# KiCad board Coral Dev Board Micro-PcbDoc.kicad_pcb (continued)
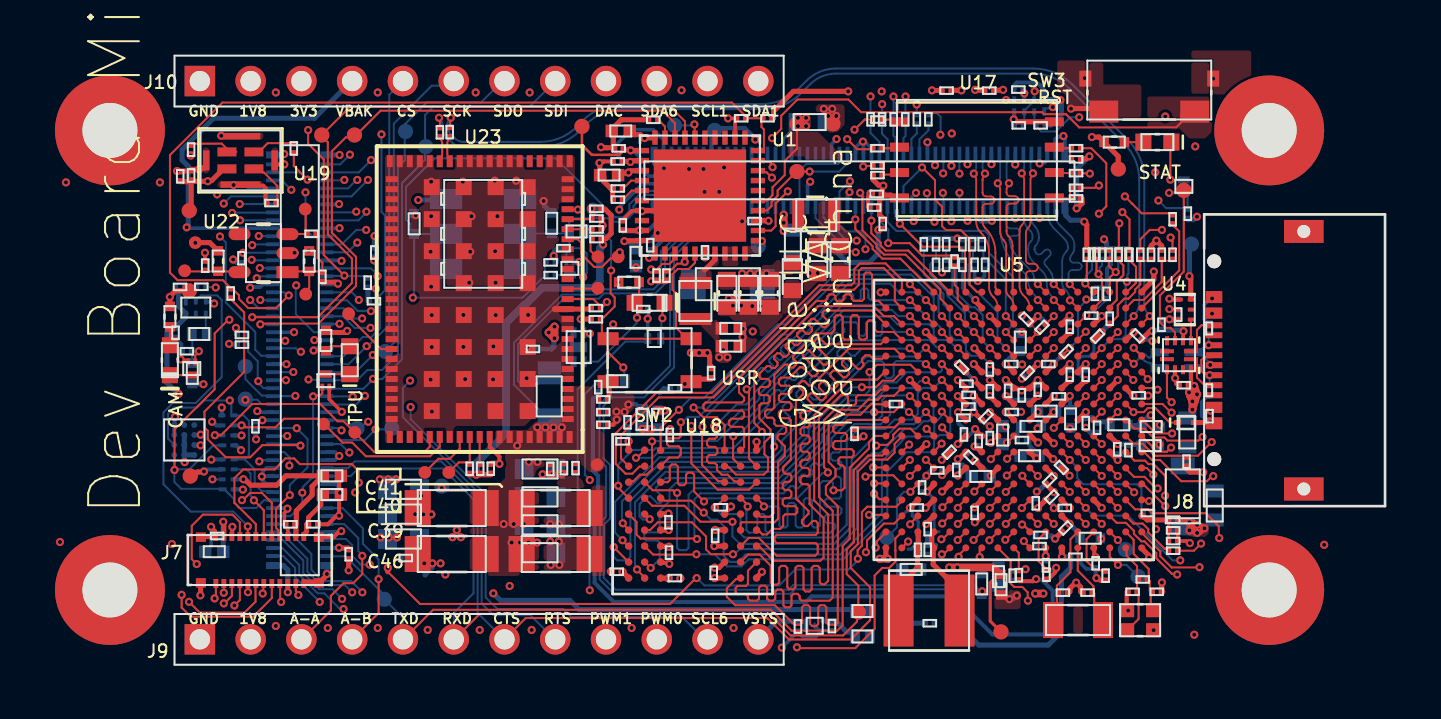
[diagram p0: board, top side]
## Routing (per net, layer and track width the routed paths; a pad name or vN(x,y) marks a point on that pad's centre or on a via; arc(x,y) is an arc through that point) (continued)
  In5.Cu w0.102: v1(30.53,26.36) 31.31,25.57 v1(31.31,23.69) 31.97,23.03 31.97,18.2 29.66,15.89 28.8,15.89 28.6,16.1 22.02,16.1 21.32,15.4 11.36,15.4 9.7,17.06 v1(8.89,17.06)
  Bottom w0.102: 43.61,5.94 43.61,6.49 ; v1(8.89,17.06) 8.88,17.05 8.27,17.05 8.26,17.04 ; 43.61,6.52 43.11,7.02 v1(43.04,7.02)
PRIVACY_ENABLE: length 1
  Bottom w0.102: 2.22,16.55 2.2,16.58 U3.4
PRIVACY_ENABLE_FILT: length 2.3
  Top w0.102: v1(1.85,15.69) 1.85,15.65 1.67,15.47 Q1.1
  Bottom w0.102: 1.52,15.82 1.52,16.55 ; v1(1.85,15.69) 1.52,15.69 R11.2
PRIVACY_OVERRIDE: length 45.1
  Top w0.102: U5.M2 v1(37.42,10.25)
  In2.Cu w0.102: v1(2.69,18.88) 2.7,18.88 3,18.58 3,16.99 3.56,16.43 5.51,16.43 6.24,17.16 8.25,17.16 9.72,18.64 10.26,18.64 10.44,18.46 11.15,18.46 11.96,19.27 13.97,19.27 14.47,18.76 18.79,18.76 19.78,19.75 21.23,19.75 21.43,19.55 21.43,17.65 22.42,16.65 25.48,16.65 25.98,17.16 29.58,17.16 34.89,11.85 35.76,11.85 37.36,10.25 v1(37.42,10.25)
  Bottom w0.102: v1(2.69,18.88) 2.67,18.9 2.29,18.9 2.27,18.92
QSPI_1V8: length 7.5
  Top w0.254: 46.04,23.34 46.04,23.08 45.79,22.84 v1(45.77,22.84) ; 36.02,23.52 36.02,23.4 35.91,23.29 35.91,23 35.91,22.99 35.91,22.88 35.9,22.88 35.91,22.87 35.91,22.76 35.91,22.76 35.91,22.49 36.04,22.36 36.06,22.36 ; 46.04,25.29 46.04,25.31 46.04,25.31 46.23,25.31 46.36,25.44 v1(46.4,25.44) ; 36.88,23.34 36.63,23.34 36.46,23.5 36.15,23.5 36.05,23.6 36.05,23.89 36.09,23.94 v1(36.09,23.97) 36.06,24 35.85,24 35.58,24.28 35.58,24.5 R73.2
  In4.Cu w0.254: v1(46.4,25.44) 46.4,25.48 ; 36.06,24 v1(36.09,23.97)
  Bottom w0.254: v1(46.4,25.44) 45.77,24.81 v1(45.77,22.84)
RGMII1_PHY_INTB: length 16.6
  Top w0.102: U5.K3 37.46,11.81 36.89,11.81 36.59,11.51 36.59,11.3 36.29,11 35.77,11 v1(35.73,10.97)
  In5.Cu w0.102: v1(34.71,20.64) 34.08,20.01 34.08,12.98 35.68,11.39 35.68,11.02 v1(35.73,10.97)
  Bottom w0.102: v1(34.71,20.64) 34.66,20.7 34.36,20.7 32.7,22.36 J6.40
RT_CLK1_N: length 1.2
  Top w0.102: U5.T15 v1(47.83,6.24)
  Bottom w0.102: v1(47.83,6.24) TP22.1
RT_CLK1_P: length 2.3
  Top w0.102: v1(47.83,5) 47.42,5.41 U5.U15
  Bottom w0.102: v1(47.83,5) 48.26,5 TP23.1
RT_DCDC_L_1: length 4.3
  Top w0.254: 37.82,5.87 37.84,5.89 37.84,5.93 37.84,5.94 37.84,6.6 37.82,6.62 U5.T3 ; 36.81,2.71 37.35,3.26 37.35,4.41 37.8,4.86 37.8,5.83 U5.U3
RT_DCDC_L_2: length 4.6
  Top w0.254: 39.78,2.71 39.78,3.89 39.29,4.38 39.23,4.38 38.59,5.02 38.59,5.82 U5.U4 38.62,5.87 38.52,5.98 38.52,6.52 38.62,6.62 U5.T4
RT_DCDC_MODE: length 4.2
  Top w0.254: U5.N4 38.62,9.02 38.57,8.97 38.57,8.95 v1(38.27,8.65)
  Bottom w0.15: 38.88,6.66 38.77,6.66 38.7,6.59 38.59,6.59 38.64,6.64 38.64,8.29 v1(38.27,8.65)
  Bottom w0.2: 38.59,6.59 38.34,6.59 R398.2
  Bottom w0.254: R397.2 38.32,5.97 38.69,5.97 38.7,5.97 ; 38.31,6.05 38.31,6.49
RT_TEST_MODE: length 2.2
  Top w0.102: 44.26,4.81 44.23,4.81 43.86,5.18 43.86,6.29 U5.T11
RT_XTALI: length 4.7
  Top w0.102: X1.1 48.55,2.01 48.59,2.01 48.87,2.29 48.87,3.65 48.79,3.73 48.79,4.25 48.78,4.27 48.79,4.28 48.79,4.94 48.26,5.46 48.26,5.81 U5.U16
RT_XTALO: length 4.5
  Top w0.102: U5.T16 48.62,6.25 48.62,5.55 49.38,4.79 49.38,4.24 49.42,4.19 49.42,3.7 49.48,3.65 49.48,2.87 X1.3
RTC_XTALI: length 4.7
  Top w0.102: 44.78,2.43 44.78,3.96 45.46,4.63 45.46,6.28 U5.T13
RTC_XTALO: length 4.1
  Top w0.102: U5.U13 45.82,4.71 46.61,3.93 46.61,3.61 46.65,3.57 46.65,2.67 X2.2
SAI2_MCLK: length 32.2
  Top w0.102: U5.M1 36.2,9.87 v1(35.59,9.87)
  In2.Cu w0.102: v1(10.46,17.7) 10.48,17.7 10.67,17.89 19.36,17.89 20.06,17.19 20.06,16.25 20.75,15.56 23.92,15.56 24.26,15.22 26.73,15.22 26.73,15.22 26.86,15.22 27.57,14.51 30.39,14.51 35.02,9.87 v1(35.59,9.87)
  Bottom w0.102: 8.26,18.24 9.26,18.24 9.79,17.71 10.45,17.71 v1(10.46,17.7)
SAI2_RX_BCLK: length 32
  Top w0.102: U5.T1 36.22,6.63 35.77,6.17 35.77,5.92 v1(35.71,5.86)
  In2.Cu w0.102: v1(35.71,5.86) 35.43,6.14 34.65,6.14 30.01,10.77 24.37,10.77 23.36,11.78 22.58,11.78 21.05,13.3 14.63,13.3 14.09,13.84 9.98,13.84 v1(9.55,13.4)
  Bottom w0.102: v1(9.55,13.4) 9.52,13.43 8.27,13.43 8.26,13.44
SAI2_RX_DATA: length 34.8
  Top w0.102: v1(37.42,9.45) U5.M3
  In2.Cu w0.102: v1(37.42,9.45) 37.02,9.45 36.01,10.46 35.16,10.46 30.6,15.01 29.65,15.01 28.37,16.3 25.93,16.3 25.73,16.1 20.94,16.1 20.57,16.46 20.57,17.57 19.68,18.46 13.33,18.46 12.98,18.81 12.04,18.81 11.48,18.26 v1(9.85,18.26)
  Bottom w0.102: 8.26,18.64 8.26,18.64 9.51,18.64 9.85,18.29 v1(9.85,18.26)
SAI2_RX_SYNC: length 31.7
  Top w0.102: U5.N1 36.2,9.02 36.15,9.07 v1(35.63,9.07)
  In2.Cu w0.102: v1(10.44,16.86) 10.49,16.81 17.88,16.81 19.76,14.93 22.32,14.93 22.83,14.42 23.46,14.42 23.65,14.61 26.6,14.61 28.01,13.2 30.83,13.2 35,9.04 35.59,9.04 v1(35.63,9.07)
  Bottom w0.102: v1(10.44,16.86) 9.65,16.86 9.06,17.44 8.26,17.44
SAI2_TX_BCLK: length 32.5
  Top w0.102: v1(35.2,9.42) 35.26,9.48 36.59,9.48 U5.N2
  In2.Cu w0.102: v1(35.2,9.42) 35.14,9.47 34.99,9.47 30.26,14.2 27.44,14.2 26.73,14.92 24.04,14.92 23.7,15.26 19.86,15.26 18,17.12 10.72,17.12 10.52,17.32 10.03,17.32 v1(10.02,17.33)
  Bottom w0.102: 8.26,17.84 9.09,17.84 9.61,17.33 v1(10.02,17.33)
SAI2_TX_DATA: length 35
  Top w0.102: U5.P1 36.18,8.29 35.9,8.29 v1(35.63,8.55)
  In5.Cu w0.102: v1(6.96,15.66) 7.48,15.14 21.65,15.14 22.03,15.53 26.05,15.53 26.34,15.23 26.35,15.23 26.65,14.93 30.58,14.93 34.79,10.71 34.79,9.23 35.41,8.61 35.57,8.61 v1(35.63,8.55)
  Bottom w0.102: v1(6.96,15.66) 6.87,15.66 6.7,15.84 J5.53
SAI2_TX_SYNC: length 33.3
  Top w0.102: v1(35.23,5.63) 35.28,5.68 35.28,6.22 36.12,7.07 36.64,7.07 U5.R2
  In2.Cu w0.102: v1(10.16,13.45) 10.21,13.51 10.35,13.51 10.37,13.53 13.97,13.53 14.5,13 20.9,13 23.16,10.74 23.88,10.74 24.16,10.46 29.9,10.46 34.7,5.66 35.2,5.66 v1(35.23,5.63)
  Bottom w0.102: v1(10.16,13.45) 9.72,13.02 8.27,13.02 8.26,13.04
SDRAM_1V8: length 5.7
  Top w0.254: U18.E7 24.96,7.55 25.33,7.55 v1(25.35,7.56) ; v1(25.37,5.91) 25.36,5.92 24.97,5.92 U18.C7 ; v1(23.05,4.66) 23.05,4.65 23.35,4.35 U18.A9 ; v1(23.35,11.18) 23.34,11.17 23.34,10.75 U18.J9 ; U18.D3 28.14,6.75 v1(27.68,6.75) ; U18.B3 27.87,4.86 v1(27.66,4.86) ; v1(25.35,4.32) 25.34,4.33 24.96,4.33 U18.A7
  Top w0.381: v1(24.04,11.8) v1(24.49,11.8)
  In2.Cu w0.381: v1(24.04,11.8) v1(24.49,11.8)
  In4.Cu w0.381: v1(24.04,11.8) v1(24.49,11.8)
  In5.Cu w0.381: v1(24.04,11.8) v1(24.49,11.8)
  Bottom w0.102: 25.41,11.8 v1(25.43,11.8)
  Bottom w0.254: v1(23.35,11.18) 23.35,11.18 23.35,11.83 23.35,11.83
SEMC_A0: length 19.1
  Top w0.102: v1(25.96,12.14) 25.96,11.44 25.86,11.33 25.38,11.33 25.27,11.23 25.27,11.03 25.38,10.93 25.86,10.93 25.96,10.83 25.96,10.51 25.82,10.37 25.38,10.37 U18.H7 ; v1(37.42,19.05) U5.A3
  Bottom w0.102: v1(37.42,19.05) 37.42,19.05 37.17,19.3 34.22,19.3 31.45,16.53 30.98,16.53 26.86,12.4 26.3,12.4 26.04,12.14 v1(25.96,12.14)
SEMC_A1: length 22.5
  Top w0.102: U18.H8 24.13,9.92 23.89,9.92 23.54,9.56 23.2,9.56 22.71,10.05 22.71,11.58 24.73,13.61 27.51,13.61 32.89,18.99 34.49,18.99 34.64,19.14 34.64,19.8 34.93,20.08 36.21,20.08 37.02,19.27 U5.A2
SEMC_A2: length 20.3
  Top w0.102: v1(30.02,11.65) 30.02,11.71 29.64,12.1 29.64,14.77 32.82,17.95 35.61,17.95 36.12,17.44 36.63,17.44 U5.C2 ; U18.J8 23.77,10.36 v1(23.72,10.36)
  Bottom w0.102: v1(30.02,11.65) 30.13,11.54 30.13,11 29.74,10.61 24.8,10.61 24.55,10.36 v1(23.72,10.36)
SEMC_A3: length 20.5
  Top w0.102: v1(39.02,17.45) U5.C5 ; v1(25.87,12.76) 25.85,12.76 24.95,11.86 U18.J7
  Bottom w0.102: v1(39.02,17.45) 39.02,17.5 38.86,17.66 38.86,18.47 37.58,19.75 33.88,19.75 31.16,17.04 30.81,17.04 27.11,13.34 26.45,13.34 v1(25.87,12.76)
SEMC_A4: length 20.8
  Top w0.102: U18.J3 28.15,11.91 28.15,11.99 27.76,12.39 27.09,12.39 v1(26.6,12.87) ; v1(39.02,16.65) U5.D5
  Bottom w0.102: v1(26.6,12.87) 27,12.87 30.93,16.81 31.31,16.81 34.03,19.53 37.48,19.53 38.6,18.41 38.6,18.4 38.62,18.39 38.62,17.21 38.96,16.87 38.96,16.71 38.98,16.69
SEMC_A5: length 21.5
  Top w0.102: 28.96,10.72 29.13,10.89 29.13,11.8 29.03,11.91 28.48,11.91 28.38,12.01 28.38,12.21 28.48,12.31 29.03,12.31 29.13,12.41 29.13,12.62 29.03,12.72 27.2,12.72 27.1,12.82 27.1,13.02 27.2,13.12 29.03,13.12 29.13,13.23 29.13,13.37 28.88,13.63 28.88,14.33 32.75,18.2 33.19,18.2 33.29,18.31 33.29,18.43 33.4,18.53 33.6,18.53 33.7,18.43 33.7,18.28 33.8,18.18 34,18.18 34.11,18.28 34.11,18.43 34.21,18.53 34.41,18.53 34.51,18.43 34.51,18.31 34.61,18.2 35.02,18.2 35.12,18.31 35.12,19.53 35.23,19.63 35.43,19.63 35.53,19.53 35.53,18.31 35.63,18.2 35.87,18.2 U5.B1 36.17,17.85
SEMC_A6: length 20.9
  Top w0.102: U18.H3 28.2,9.89 28.36,9.89 28.72,9.52 30.12,9.52 30.32,9.72 30.32,10.36 30.15,10.53 30.15,11.12 30.45,11.42 30.45,11.77 29.89,12.32 29.89,12.98 29.99,13.09 30.31,13.09 30.41,13.19 30.41,13.39 30.31,13.49 29.97,13.49 29.87,13.59 29.87,13.8 29.97,13.9 30.31,13.9 30.41,14 30.41,14.2 30.31,14.3 29.99,14.3 29.89,14.41 29.89,14.57 30.27,14.94 30.41,14.94 30.51,14.85 30.65,14.85 30.8,14.99 30.8,15.13 30.63,15.3 30.63,15.44 30.78,15.58 30.92,15.58 31.09,15.42 31.23,15.42 31.37,15.56 31.37,15.71 31.21,15.87 31.21,16.02 31.35,16.16 31.5,16.16 31.66,15.99 31.8,15.99 31.95,16.14 31.95,16.28 31.78,16.45 31.78,16.59 31.93,16.73 32.07,16.73 32.23,16.57 32.38,16.57 32.52,16.71 32.52,16.86 32.36,17.02 32.36,17.17 32.5,17.31 32.65,17.31 33.06,16.89 33.21,16.89 33.35,17.03 33.35,17.18 33.05,17.48 33.05,17.62 33.15,17.72 35.52,17.72 36.19,17.05 U5.C1
SEMC_A7: length 18.4
  Top w0.102: U18.H2 28.58,10.31 28.58,11.43 v1(28.59,11.44) ; v1(37.42,16.65) U5.D3
  Bottom w0.102: v1(28.59,11.44) 28.64,11.49 28.84,11.49 30.35,13.01 30.35,13.35 30.75,13.74 30.89,13.74 30.96,13.67 31.11,13.67 31.25,13.81 31.25,13.96 31.18,14.03 31.18,14.17 31.32,14.32 31.47,14.32 31.54,14.25 31.68,14.25 31.82,14.39 31.82,14.53 31.75,14.6 31.75,14.75 31.9,14.89 32.04,14.89 32.11,14.82 32.25,14.82 32.4,14.96 32.4,15.11 32.33,15.18 32.33,15.32 32.47,15.47 32.62,15.47 32.69,15.39 32.83,15.39 32.97,15.54 32.97,15.68 32.9,15.75 32.9,15.9 33.05,16.04 33.19,16.04 33.26,15.97 33.4,15.97 33.55,16.11 33.55,16.26 33.48,16.33 33.48,16.47 33.62,16.61 33.76,16.61 33.85,16.53 34,16.53 34.14,16.67 34.14,16.81 34.05,16.9 34.05,17.05 34.14,17.14 34.72,17.14 34.82,17.04 34.82,16.57 34.92,16.46 35.12,16.46 35.23,16.57 35.23,17.09 35.33,17.19 35.53,17.19 35.63,17.09 35.63,16.57 35.73,16.46 35.94,16.46 36.04,16.57 36.04,16.99 36.14,17.1 36.28,17.1 36.72,16.65 37.42,16.65 v1(37.42,16.65)
SEMC_A8: length 18.1
  Top w0.102: v1(37.42,18.25) U5.B3 ; v1(29.26,13.78) 29.37,13.67 29.37,10.32 U18.H1
  Bottom w0.102: 35.35,18.36 35.46,18.25 v1(37.42,18.25) ; 35.35,18.36 35.35,18.55 ; 35.35,18.36 35.35,18.73 35.25,18.83 35.06,18.83 34.97,18.73 34.97,18.34 34.87,18.24 34.68,18.24 34.58,18.34 34.58,18.51 34.49,18.6 34.3,18.6 34.2,18.51 34.2,18.36 34.11,18.27 33.89,18.27 31.73,16.1 31.73,16.01 31.53,15.82 31.44,15.82 31.26,16 31.11,16 30.97,15.86 30.97,15.71 31.15,15.53 31.15,15.44 30.95,15.24 30.87,15.24 30.68,15.43 30.54,15.43 30.39,15.28 30.39,15.14 30.58,14.95 30.58,14.87 30.38,14.67 30.29,14.67 30.11,14.85 29.96,14.85 29.82,14.71 29.82,14.56 29.93,14.45 29.93,14.31 29.41,13.78 v1(29.26,13.78)
SEMC_A9: length 18.7
  Top w0.102: v1(27.05,11.91) 27.02,11.89 27.02,10 27.83,9.19 28.1,9.19 U18.G3 ; v1(38.22,18.25) U5.B4
  Bottom w0.102: v1(27.05,11.91) 27.05,12.26 31.09,16.3 31.58,16.3 34.35,19.07 36.45,19.07 36.87,18.64 37.83,18.64 v1(38.22,18.25)
SEMC_A10: length 21.1
  Top w0.102: U18.H9 22.97,10.32 22.97,11.49 24.86,13.38 27.6,13.38 32.99,18.76 34.62,18.76 34.87,19.02 34.87,19.7 35.02,19.86 36.11,19.86 36.67,19.3 36.67,18.2 U5.B2
SEMC_A11: length 19.2
  Top w0.102: U18.G2 28.92,9.17 28.65,9.17 28.31,9.51 28,9.51 27.77,9.75 27.77,9.99 27.67,10.09 27.38,10.09 27.28,10.19 27.28,10.39 27.38,10.5 27.69,10.5 27.79,10.6 27.79,10.8 27.69,10.9 27.38,10.9 27.28,11 27.28,11.21 27.38,11.31 27.67,11.31 27.77,11.41 27.77,11.73 27.63,11.87 v1(27.63,11.96) ; v1(38.22,17.45) U5.C4
  Bottom w0.102: v1(27.63,11.96) 27.69,11.96 28.75,13.02 29.23,13.02 29.64,13.43 29.64,13.6 34.05,18.01 36.82,18.01 36.97,17.85 37.82,17.85 v1(38.22,17.45)
SEMC_A12: length 20.4
  Top w0.102: v1(37.42,17.45) U5.C3 ; U18.G1 29.38,8.76 27.8,8.76 26.49,10.08 v1(26.49,11.95)
  Bottom w0.102: v1(37.42,17.45) 36.83,17.45 36.52,17.76 34.12,17.76 29.89,13.53 29.89,13.3 29.36,12.77 29,12.77 27.73,11.5 26.9,11.5 26.49,11.91 v1(26.49,11.95)
SEMC_BA0: length 19.5
  Top w0.102: v1(27.12,8.17) 26.63,8.67 26.63,9.51 26.53,9.61 26.32,9.61 26.22,9.51 26.22,9.09 26.12,8.98 25.92,8.98 25.82,9.09 25.82,9.92 25.71,10.02 25.51,10.02 25.41,9.92 25.41,9.24 25.31,9.14 U18.G7 ; U5.G2 36.63,13.45 36.02,13.45 35.83,13.26 35.34,13.26 34.83,12.76 33.65,12.76 33.13,12.24 33.13,9.88 33.32,9.69 v1(33.32,9.62)
  Bottom w0.102: v1(33.32,9.62) 33.29,9.59 33.05,9.59 31.78,8.32 27.28,8.32 v1(27.12,8.17)
SEMC_BA1: length 20.7
  Top w0.102: U5.H2 36.62,12.64 v1(35.63,12.64) ; v1(25.78,8.6) 25.7,8.6 25.57,8.73 24.56,8.73 U18.G8
  Bottom w0.102: v1(25.78,8.6) 25.78,5.85 25.89,5.73 26.23,5.73 26.35,5.85 26.35,8.51 26.67,8.83 31.02,8.83 33.27,11.08 33.27,11.42 34.49,12.64 v1(35.63,12.64)
SEMC_CAS: length 21.9
  Top w0.102: U5.J5 39.42,12.25 39.01,12.66 39.01,12.67 ; U18.F7 25.02,8.34 25.15,8.21 26.48,8.21 27.07,7.61 v1(27.11,7.61)
  Bottom w0.102: 39.01,12.67 38.98,12.64 38.98,12.41 38.64,12.07 38.64,11.65 38.42,11.42 37.26,11.42 37.23,11.4 37.23,11.4 37,11.17 37,11.17 36.03,10.19 36.03,7.6 33.94,5.52 29.2,5.52 28.83,5.15 28.41,5.15 28.11,5.46 28.11,6.95 27.8,7.26 27.47,7.26 v1(27.11,7.61)
  vias: v1(39.02,12.67)
SEMC_CKE: length 20
  Top w0.102: v1(27.66,7.87) 27.68,7.87 U18.F3 ; v1(39.02,14.25) U5.G5
  Bottom w0.102: v1(39.02,14.25) 38.63,13.85 38.07,13.85 37.82,13.6 37.82,12.55 37.54,12.27 36.66,12.27 36.19,11.8 35.27,11.8 35.26,11.81 34.88,11.81 34.26,11.19 34.26,7 33.63,6.37 29.14,6.37 28.95,6.56 28.95,7.36 28.77,7.54 27.98,7.54 27.7,7.82 27.66,7.82
SEMC_CLK: length 1.2
  Top w0.102: U5.J3 37.81,12.25 37.39,12.67 37.38,12.67
  Bottom w0.102: v1(37.38,12.65) 37.33,12.65 36.95,13.04 36.95,13.05
SEMC_CLK_R: length 19.7
  Top w0.102: v1(29.31,7.92) 29.31,7.99 28.96,8.34 U18.F2
  Bottom w0.102: R365.2 36.43,12.98 36.43,12.5 35.96,12.03 35.37,12.03 35.36,12.04 34.65,12.04 33.98,11.37 33.98,10.72 33.88,10.62 33.56,10.62 33.46,10.52 33.46,10.32 33.56,10.22 33.89,10.22 33.99,10.11 33.99,9.91 33.89,9.81 33.8,9.81 33.7,9.71 33.7,9.5 33.8,9.4 33.88,9.4 33.98,9.3 33.98,8.42 33.88,8.32 33.26,8.32 33.16,8.21 33.16,8.01 33.26,7.91 33.89,7.91 33.99,7.81 33.99,7.6 33.89,7.5 33.26,7.5 33.16,7.4 33.16,7.2 33.26,7.1 33.58,7.1 33.68,6.99 33.68,6.85 33.44,6.61 30.3,6.61 30.2,6.71 30.2,7.43 30.1,7.54 29.89,7.54 29.79,7.43 29.79,6.71 29.69,6.61 29.37,6.61 29.24,6.74 29.24,7.71 29.25,7.71 29.25,7.86 v1(29.31,7.92)
SEMC_CS0: length 22.3
  Top w0.102: v1(24.52,11.18) 24.53,11.17 24.53,9.78 24.26,9.51 23.92,9.51 23.59,9.18 23.41,9.18 23.35,9.12 ; v1(39.82,15.85) U5.E6
  Bottom w0.102: v1(39.82,15.85) 39.75,15.85 39.34,16.25 38.83,16.25 38.62,16.47 38.62,16.81 38.39,17.04 36.8,17.04 36.42,17.42 34.1,17.42 30.13,13.44 30.13,13.14 29.4,12.41 29,12.41 27.79,11.2 25.41,11.2 25.41,11.19 24.54,11.19 v1(24.52,11.18)
SEMC_D0: length 21.9
  Top w0.102: U5.F3 37.46,15.01 35.77,15.01 v1(35.4,14.65) ; v1(23.77,4.77) 23.77,4.74 24.15,4.36 U18.A8 24.16,4.33
  Bottom w0.102: v1(23.77,4.77) 23.77,4.85 23.67,4.95 23.67,8.13 25.2,9.65 30.88,9.65 32.58,11.36 32.58,11.7 34.37,13.49 35.17,13.49 35.4,13.73 v1(35.4,14.65)
SEMC_D1: length 21.8
  Top w0.102: U5.F2 36.59,14.22 36.07,14.22 35.88,14.03 35.87,14.03 35.73,13.89 v1(35.02,13.89) ; v1(22.6,5.89) U18.B9
  Bottom w0.102: v1(35.02,13.89) 34.44,13.89 32.36,11.8 32.36,11.46 30.78,9.88 25.1,9.88 23.44,8.22 23.44,5.4 23.26,5.22 22.78,5.22 22.6,5.4 v1(22.6,5.89)
SEMC_D2: length 21.9
  Top w0.102: U18.B8 24.16,5.14 24.45,4.84 v1(24.46,4.84) ; v1(38.22,14.25) U5.G4
  Bottom w0.102: v1(38.22,14.25) 38.17,14.19 37.93,14.19 37.57,13.84 36.27,13.84 35.36,12.94 34.46,12.94 33.04,11.51 33.04,11.17 30.95,9.09 25.7,9.09 25.4,8.78 25.4,8.2 24.9,7.7 24.9,6.72 24.8,6.62 24.24,6.62 24.14,6.52 24.14,6.32 24.24,6.22 24.8,6.22 24.9,6.11 24.9,5.29 v1(24.46,4.84)
SEMC_D3: length 22.1
  Top w0.102: 38.2,15.87 38.2,15.87 38.62,15.45 U5.E4 ; U18.C9 23.32,5.94 23.05,6.21 v1(23.05,6.23)
  Bottom w0.102: v1(23.05,6.23) 22.68,6.6 22.68,8.16 24.9,10.38 30.63,10.38 31.01,10.76 31.01,11.2 35.23,15.42 37.75,15.42 38.2,15.87 v1(38.22,15.87)
SEMC_D4: length 22.6
  Top w0.102: v1(26.74,5.53) 26.72,5.51 24.58,5.51 U18.C8 ; 39.39,13.05 39.42,13.05 ; 39.42,13.05 U5.H5 ; 39.42,13.05 39.01,13.45 39.01,13.45
  Bottom w0.102: v1(39.02,13.45) 39.02,13.44 39.44,13.02 39.44,11.68 39.26,11.5 38.91,11.5 38.86,11.45 38.85,11.45 38.63,11.22 38.63,10.81 38.45,10.64 37.26,10.64 36.29,9.67 36.29,7.49 34.08,5.28 29.36,5.28 29,4.92 28.27,4.92 27.66,5.53 v1(26.74,5.53)
SEMC_D5: length 22
  Top w0.102: U18.D9 23.35,6.76 23.06,7.05 v1(23.06,7.08) ; v1(38.22,15.05) U5.F4
  Bottom w0.102: v1(38.22,15.05) 38.16,15.05 38.01,15.19 36.74,15.19 36.62,15.07 36.62,14.48 36.5,14.36 36.25,14.36 36.13,14.48 36.13,15.07 36.01,15.19 35.33,15.19 32.13,11.99 32.13,11.55 30.73,10.15 24.99,10.15 23.02,8.18 23.02,7.12 v1(23.06,7.08)
SEMC_D6: length 22
  Top w0.102: v1(38.22,13.45) U5.H4 ; U18.D8 24.16,6.74 24.43,6.74 24.81,7.13 26.51,7.13 27.22,6.42 27.22,5.77 27.47,5.53 v1(28.57,5.53)
  Bottom w0.102: v1(28.57,5.53) 28.64,5.53 28.9,5.78 33.73,5.78 34.77,6.83 34.77,9.82 35.53,10.58 35.94,10.58 37.16,11.81 37.73,11.81 38.1,12.18 38.35,12.18 38.6,12.44 38.6,13.07 v1(38.22,13.45)
SEMC_D7: length 21.9
  Top w0.102: v1(26.77,6.29) 26.74,6.32 23.95,6.32 23.75,6.52 23.75,7.14 U18.E9 ; v1(37.42,13.45) U5.H3
  Bottom w0.102: v1(26.77,6.29) 26.77,6.37 26.64,6.49 26.64,8.27 26.95,8.58 31.09,8.58 31.45,8.94 31.59,8.94 31.7,8.83 31.84,8.83 31.98,8.98 31.98,9.12 31.88,9.22 31.88,9.37 32.03,9.51 32.17,9.51 32.27,9.41 32.41,9.41 32.56,9.55 32.56,9.7 32.46,9.8 32.46,9.94 32.6,10.08 32.74,10.08 32.84,9.98 32.99,9.98 33.13,10.13 33.13,10.27 33.03,10.37 33.03,10.52 33.5,10.98 33.5,11.33 34.44,12.27 35.45,12.27 35.46,12.26 35.83,12.26 36.04,12.47 36.04,13.25 36.27,13.48 37.39,13.48 v1(37.42,13.45)
SEMC_D8: length 21.7
  Top w0.102: 30.6,10.84 30.6,7.59 30.42,7.4 29.95,7.4 29.81,7.54 U18.E1 ; U5.E3 37.81,15.45 37.42,15.84 v1(37.41,15.84)
  Bottom w0.102: v1(30.63,10.91) 30.69,10.97 30.69,11.49 31.42,12.22 31.42,12.39 31.06,12.76 31.06,12.93 31.23,13.1 31.4,13.1 31.91,12.59 32.08,12.59 32.25,12.76 32.25,12.93 31.74,13.44 31.74,13.61 31.91,13.78 32.08,13.78 32.59,13.27 32.76,13.27 32.93,13.45 32.93,13.62 32.43,14.12 32.43,14.29 32.6,14.46 32.77,14.46 33.27,13.96 33.44,13.96 33.61,14.13 33.61,14.3 33.11,14.8 33.11,14.98 33.28,15.15 33.45,15.15 33.96,14.64 34.13,14.64 34.3,14.81 34.3,14.98 33.79,15.49 33.79,15.66 33.96,15.83 34.13,15.83 34.5,15.46 34.67,15.46 35.02,15.82 37.38,15.82 v1(37.41,15.84)
SEMC_D9: length 24.6
  Top w0.102: U5.D2 36.62,16.65 35.78,16.65 35.68,16.76 35.68,17.13 35.58,17.23 35.38,17.23 35.28,17.13 35.28,16.37 35.17,16.27 34.97,16.27 34.87,16.37 34.87,17.39 34.77,17.49 34.56,17.49 34.46,17.39 34.46,16.37 34.36,16.27 34.16,16.27 34.06,16.37 34.06,17.39 33.96,17.49 33.75,17.49 33.65,17.39 33.65,16.76 33.47,16.58 32.71,16.58 31.59,15.45 31.59,15.31 31.73,15.16 31.73,15.02 31.59,14.88 31.44,14.88 31.3,15.02 31.16,15.02 30.64,14.51 30.64,12.87 30.54,12.77 30.28,12.77 30.18,12.67 30.18,12.46 30.28,12.36 30.54,12.36 30.64,12.26 30.64,12.06 30.74,11.96 31.14,11.96 31.24,11.85 31.24,11.65 31.14,11.55 30.9,11.55 30.8,11.45 30.8,11.3 31.16,10.94 31.16,10.46 30.83,10.13 30.83,7.31 30.65,7.13 29.02,7.13 28.96,7.07 28.96,6.74 U18.D2
SEMC_D10: length 24.7
  Top w0.102: U18.D1 29.82,6.74 29.92,6.64 29.93,6.64 30.04,6.52 30.27,6.52 30.55,6.8 30.93,6.8 31.09,6.95 31.09,7.43 31.19,7.53 31.69,7.53 31.79,7.63 31.79,7.83 31.69,7.93 31.16,7.93 31.06,8.04 31.06,8.24 31.16,8.34 31.39,8.34 31.49,8.44 31.49,8.65 31.39,8.75 31.16,8.75 31.06,8.85 31.06,9.05 31.16,9.15 31.39,9.15 31.49,9.25 31.49,9.46 31.39,9.56 31.19,9.56 31.09,9.66 31.09,9.9 31.47,10.28 31.47,12.24 31.37,12.34 30.97,12.34 30.87,12.44 30.87,12.64 30.97,12.74 31.39,12.74 31.49,12.85 31.49,13.05 31.39,13.15 30.97,13.15 30.87,13.25 30.87,13.45 30.97,13.56 31.39,13.56 31.49,13.66 31.49,13.86 31.39,13.96 30.97,13.96 30.87,14.06 30.87,14.27 30.97,14.37 31.4,14.37 31.92,14.89 32.07,14.89 32.52,14.44 32.66,14.44 32.8,14.58 32.8,14.73 32.07,15.47 32.07,15.61 32.21,15.75 32.35,15.75 33.09,15.01 33.24,15.01 33.38,15.16 33.38,15.3 32.64,16.04 32.64,16.18 32.78,16.33 32.93,16.33 33.21,16.04 35.97,16.04 36.17,16.25 U5.D1
SEMC_D11: length 25
  Top w0.102: 31.72,8.32 32.35,7.7 32.35,7.55 32.02,7.23 32.02,7.08 32.17,6.94 32.31,6.94 32.57,7.2 32.71,7.2 32.81,7.09 32.81,6.6 32.71,6.5 30.76,6.5 30.65,6.39 30.65,6.19 30.76,6.09 32.71,6.09 32.81,5.99 32.81,5.58 32.69,5.45 30.76,5.45 29.87,6.34 29.36,6.34 U18.C2 ; 31.72,8.32 31.85,8.19 ; 31.72,8.32 31.72,13.18 32.09,13.54 32.09,13.69 31.87,13.9 31.87,14.05 32.01,14.19 32.16,14.19 32.37,13.97 32.52,13.97 34.36,15.81 36.66,15.81 U5.E2
SEMC_D12: length 24.7
  Top w0.102: U5.E1 36.18,15.45 36.04,15.31 35.58,15.31 35.4,15.49 35.2,15.49 35.02,15.31 35.02,15.17 35.1,15.09 35.1,14.95 34.95,14.81 34.81,14.81 34.31,15.3 34.17,15.3 34.03,15.16 34.03,15.01 34.36,14.68 34.36,14.53 34.22,14.39 34.08,14.39 33.74,14.73 33.6,14.73 33.45,14.58 33.45,14.44 33.79,14.1 33.79,13.96 33.65,13.82 33.5,13.82 33.17,14.15 33.02,14.15 32.88,14.01 32.88,13.87 33.21,13.53 33.21,13.39 33.07,13.24 32.93,13.24 32.59,13.58 32.45,13.58 32.3,13.43 32.3,13.29 32.58,13.01 32.58,12.87 32.41,12.69 32.05,12.69 31.95,12.59 31.95,12.39 32.05,12.29 32.3,12.29 32.41,12.18 32.41,11.98 32.3,11.88 32.05,11.88 31.95,11.78 31.95,11.58 32.05,11.47 32.3,11.47 32.41,11.37 32.41,11.17 32.3,11.07 32.05,11.07 31.95,10.97 31.95,10.76 32.05,10.66 32.3,10.66 32.41,10.56 32.41,10.36 32.3,10.25 32.05,10.25 31.95,10.15 31.95,9.95 32.05,9.85 32.3,9.85 32.41,9.75 32.41,9.54 32.3,9.44 32.05,9.44 31.95,9.34 31.95,9.14 32.05,9.04 32.3,9.04 32.41,8.93 32.41,8.03 33.11,7.33 33.11,5.36 32.94,5.2 30.61,5.2 29.92,5.89 29.8,5.89 U18.C1
SEMC_D13: length 24.8
  Top w0.102: U18.B2 29.33,5.51 29.91,5.51 30.46,4.96 30.46,4.09 30.55,4.01 30.78,4.01 30.88,4.11 30.88,4.84 30.98,4.95 31.19,4.95 31.29,4.84 31.29,3.88 31.39,3.78 31.59,3.78 31.7,3.88 31.7,4.84 31.8,4.95 32,4.95 32.1,4.84 32.1,3.77 32.2,3.67 32.41,3.67 32.51,3.77 32.51,4.84 32.61,4.95 32.81,4.95 32.91,4.84 32.91,4.12 33.02,4.02 33.16,4.02 33.33,4.2 33.33,7.52 32.64,8.22 32.64,12.48 34.42,14.27 35.78,14.27 36.16,14.65 U5.F1
SEMC_D14: length 24.6
  Top w0.102: U5.G1 36.15,13.77 35.97,13.77 35.69,13.49 34.83,13.49 34.73,13.39 34.73,13.09 34.63,12.98 34.43,12.98 34.32,13.09 34.32,13.39 34.22,13.49 33.97,13.49 32.88,12.4 32.88,8.39 33.56,7.7 33.56,3.36 33.41,3.21 32.01,3.21 31.91,3.31 31.91,3.45 31.8,3.55 31.6,3.55 31.5,3.45 31.5,2.98 31.4,2.87 31.19,2.87 31.09,2.98 31.09,3.66 30.99,3.76 30.79,3.76 30.69,3.66 30.69,3.31 30.59,3.21 30.38,3.21 30.28,3.31 30.28,3.86 30.18,3.96 29.98,3.96 29.87,3.86 29.87,3.31 29.77,3.21 29.42,3.21 29.32,3.31 29.32,3.43 29.22,3.54 28.81,3.54 28.7,3.64 28.7,3.84 28.81,3.94 29.22,3.94 29.32,4.04 29.32,4.71 U18.B1
SEMC_D15: length 24.9
  Top w0.102: U5.H1 36.21,13.04 35.47,13.04 34.95,12.51 33.77,12.51 33.36,12.11 33.36,10.14 33.7,9.8 33.7,9.42 33.22,8.93 33.22,8.53 33.82,7.93 33.82,2.1 33.71,2 33.35,2 33.24,2.1 33.24,2.88 33.14,2.98 32.94,2.98 32.84,2.88 32.84,2.04 32.74,1.94 32.53,1.94 32.43,2.04 32.43,2.88 32.33,2.98 32.13,2.98 32.03,2.88 32.03,2.1 31.92,2 31.64,2 30.67,2.98 28.69,2.98 28.27,3.4 28.27,3.83 28.73,4.29 28.9,4.29 U18.A2
SEMC_DM0: length 21.3
  Top w0.102: v1(39.02,15.05) U5.F5
  Bottom w0.102: 39.02,15.04 39.02,14.74 38.92,14.64 37.26,14.64 36.75,14.13 36.19,14.13 35.29,13.23 34.43,13.23 32.81,11.61 32.81,11.27 30.89,9.34 25.2,9.34 24.73,8.86 24.73,8.72 25.07,8.37 25.07,8.23 24.93,8.08 24.79,8.08 24.44,8.43 24.3,8.43 23.9,8.03 23.9,7.42 24.06,7.26 24.41,7.26 ; 39.02,15.05 v1(39.02,15.05)
  vias: v1(24.41,7.28)
SEMC_DM1: length 21.8
  Top w0.102: v1(30.12,7.92) 30.12,7.97 29.75,8.34 U18.F1 ; U5.J1 34.3,12.25 34.06,12.01 33.69,12.01 33.59,11.91 33.59,11.7 33.69,11.6 34.18,11.6 34.28,11.5 34.28,11.3 34.18,11.19 33.69,11.19 33.59,11.09 33.59,10.89 33.69,10.79 34.51,10.79 34.61,10.69 34.61,10.48 34.51,10.38 33.95,10.38 33.85,10.28 33.85,10.08 33.95,9.97 34.06,9.97 34.16,9.87 34.16,8.86 34.03,8.73 v1(33.6,8.73)
  Bottom w0.102: v1(33.6,8.73) 33.58,8.75 33.58,9.08 33.47,9.19 33.07,9.19 32.93,9.05 32.93,6.97 32.83,6.87 32.62,6.87 32.52,6.97 32.52,8.23 32.42,8.33 32.22,8.33 32.11,8.23 32.11,6.97 32.01,6.87 31.81,6.87 31.71,6.97 31.71,7.99 31.61,8.1 31.4,8.1 31.3,7.99 31.3,6.97 31.2,6.87 31,6.87 30.9,6.97 30.9,7.82 30.79,7.92 v1(30.12,7.92)
SEMC_DQS4: length 3.5
  Top w0.102: U5.N3 37.45,8.67 v1(37.45,8.65)
  Bottom w0.102: v1(37.45,8.65) 37.13,8.65 36.78,8.3 36.78,6.88 TP25.1
SEMC_RAS: length 20.7
  Top w0.102: v1(38.22,12.65) U5.J4 ; v1(28.55,7.16) 26.95,7.16 26.15,7.96 24.53,7.96 U18.F8
  Bottom w0.102: v1(38.22,12.65) 38.22,12.63 37.63,12.04 36.86,12.04 36.28,11.46 35.7,11.46 35.58,11.35 35.58,11.35 35.35,11.12 35.35,11.12 34.51,10.28 34.51,6.93 33.64,6.05 28.91,6.05 28.55,6.42 v1(28.55,7.16)
